# Altium PCB V5+_CORE_RC02.PcbDoc (part 1 of 3)
Units mm, origin at the board's own origin, x right, y up, seen from the top; angles counter-clockwise.
Board outline 33.75 x 33.75 mm, 6 copper layers (Top Layer, GND, S1, S2, POWER, Bottom Layer), stack 1.231 mm thick; 202 components, 273 nets, 965 pads, 543 vias.
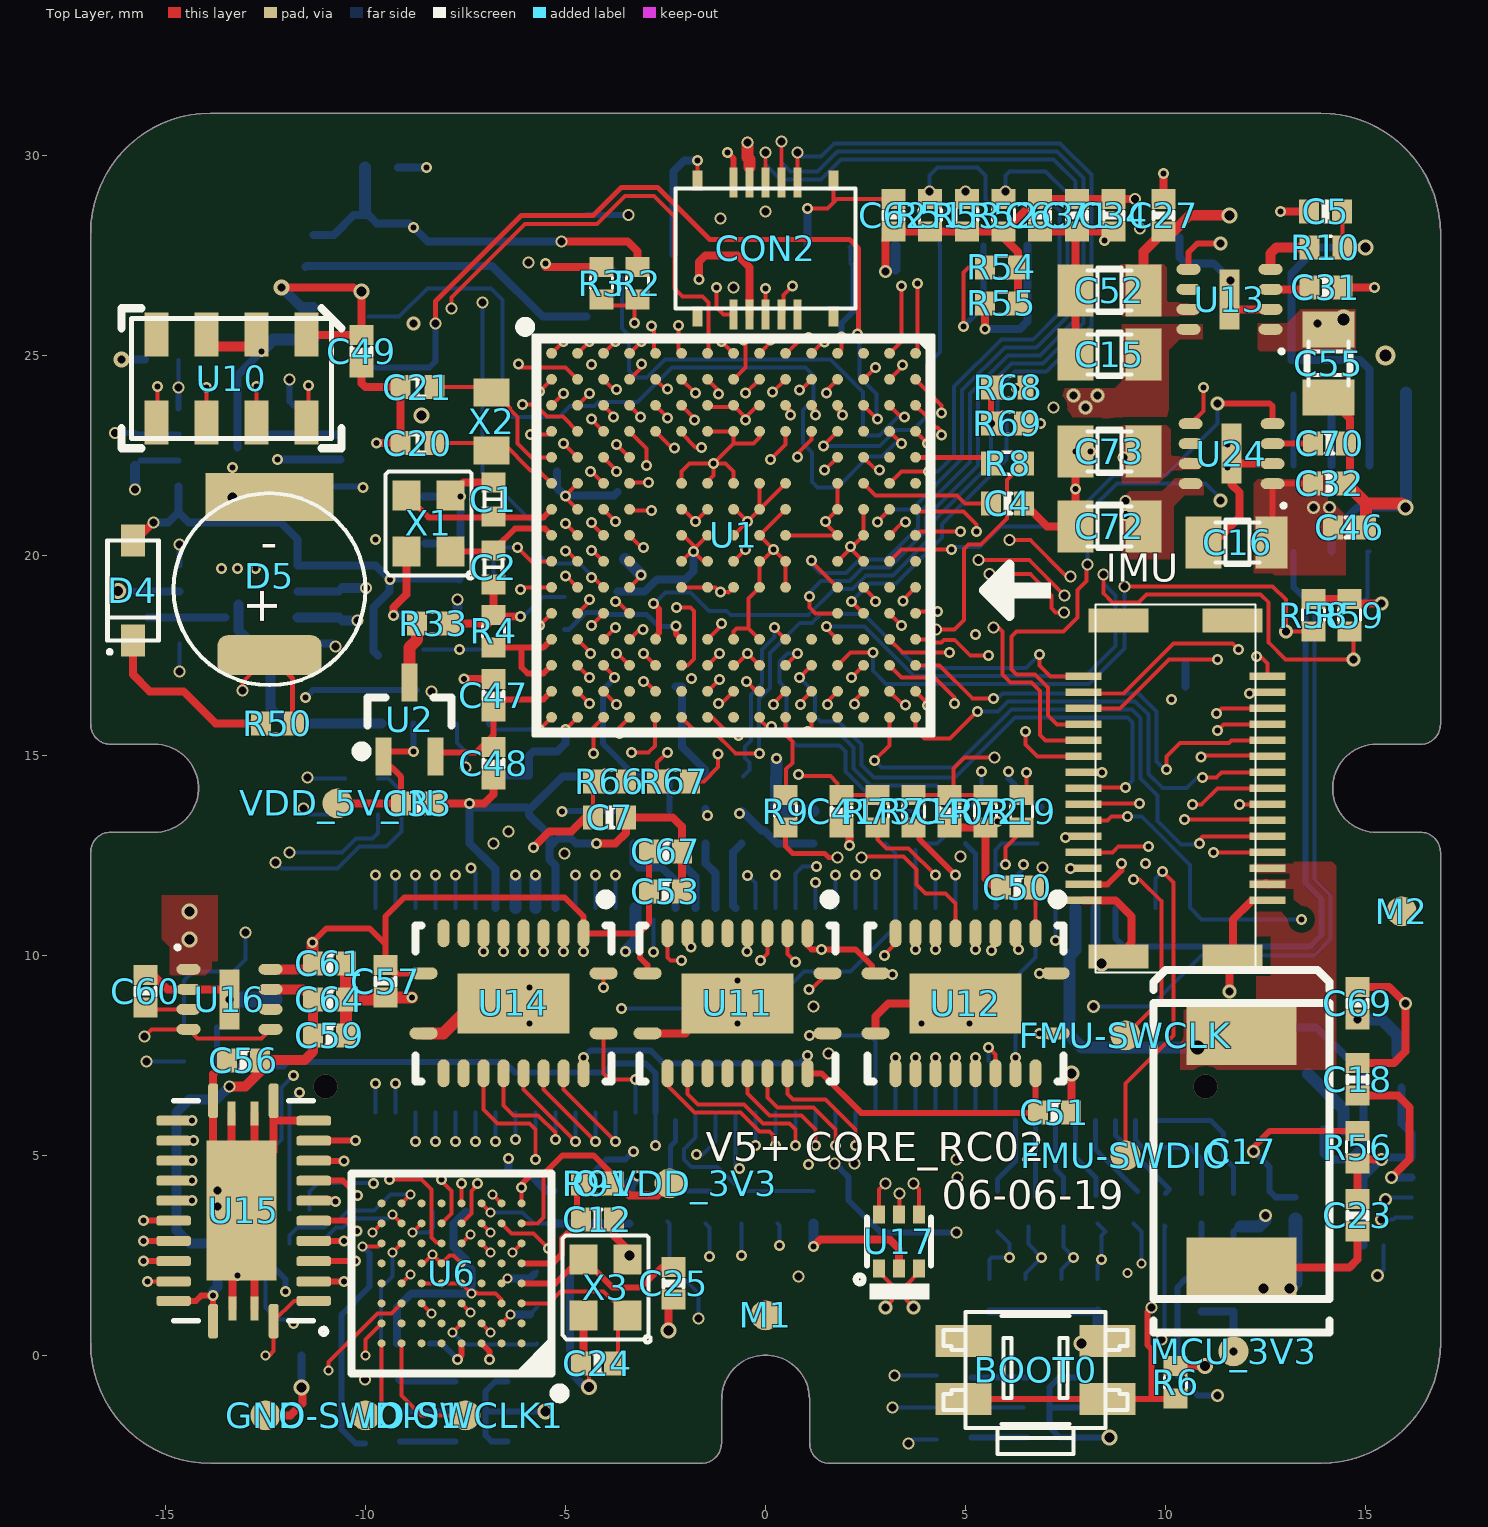
[diagram p0: Top Layer view]
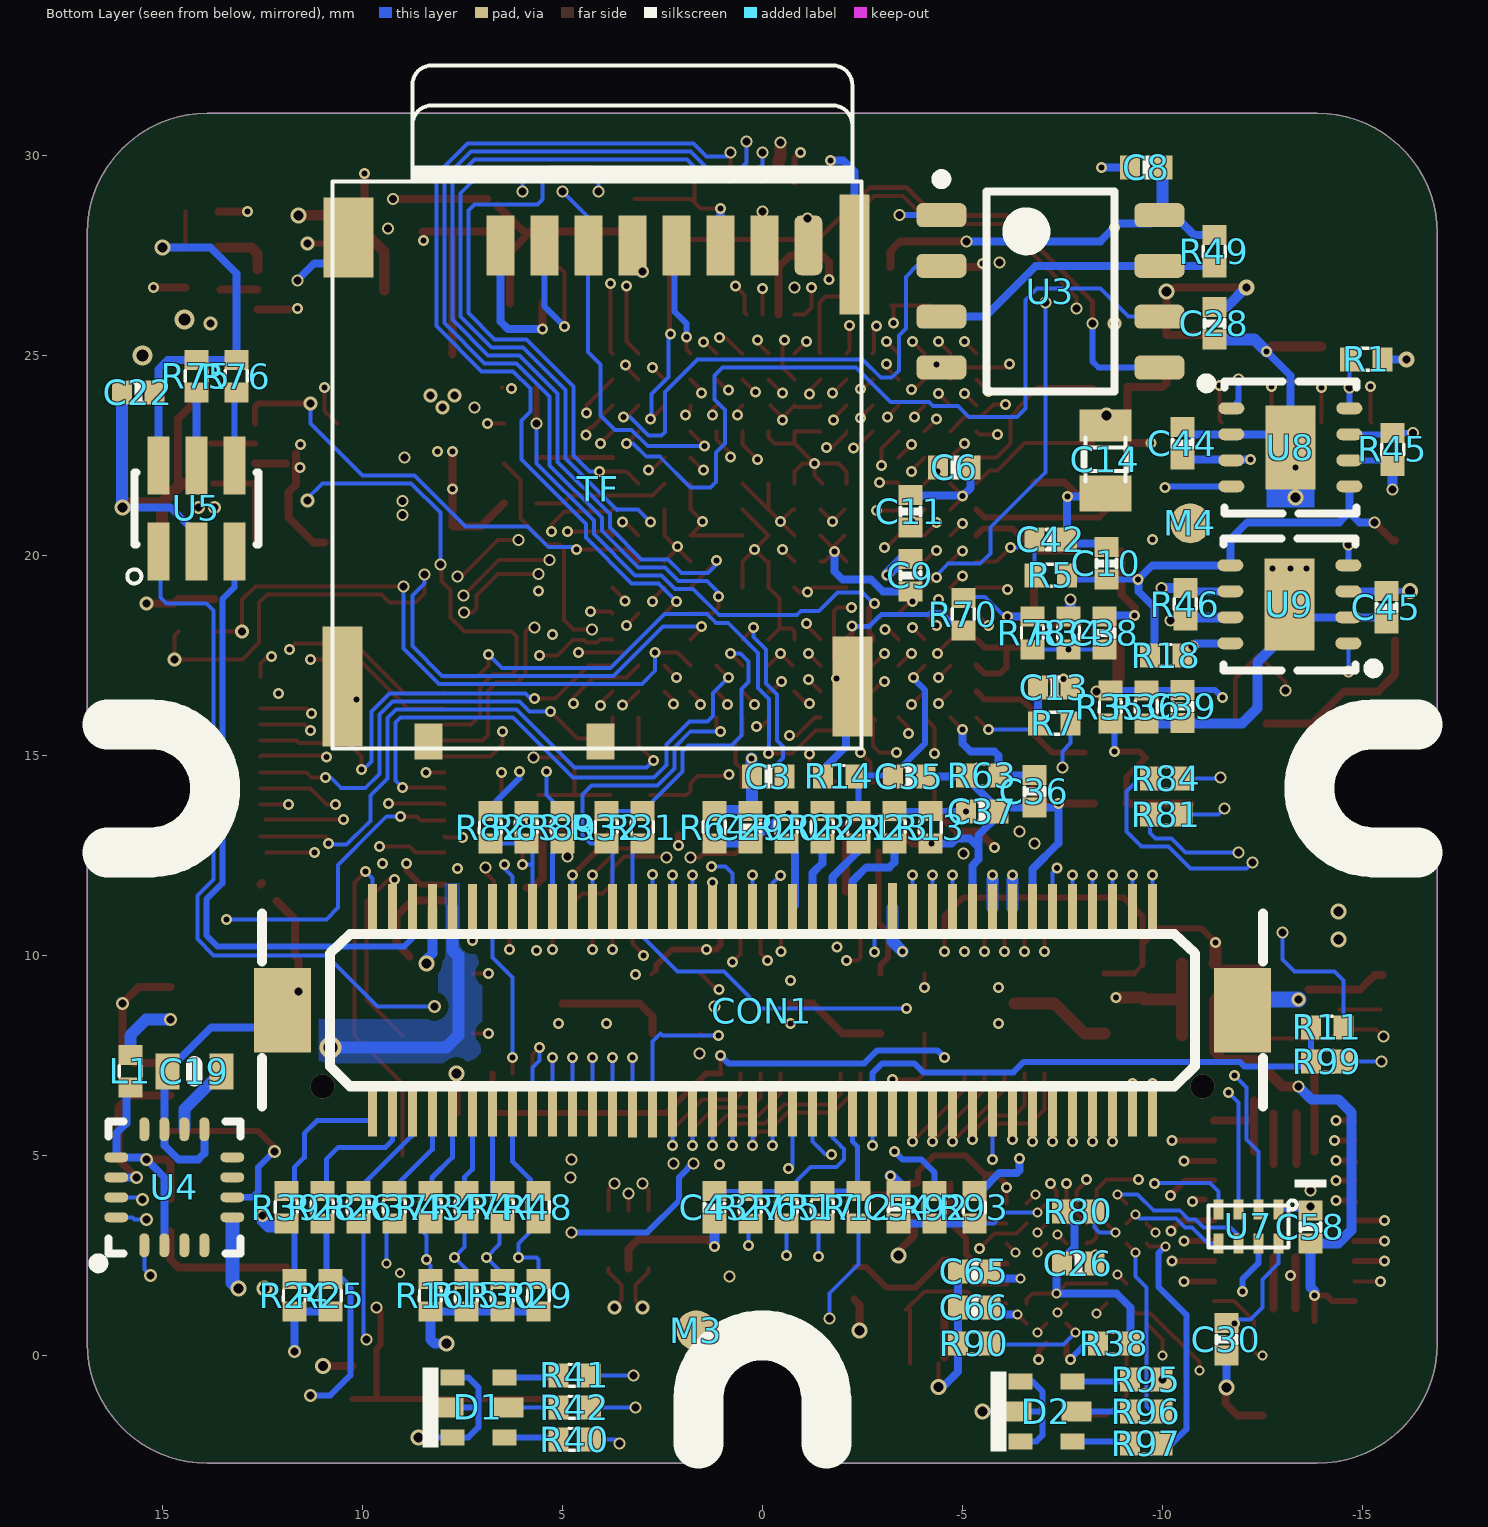
[diagram p1: Bottom Layer view, seen from below]
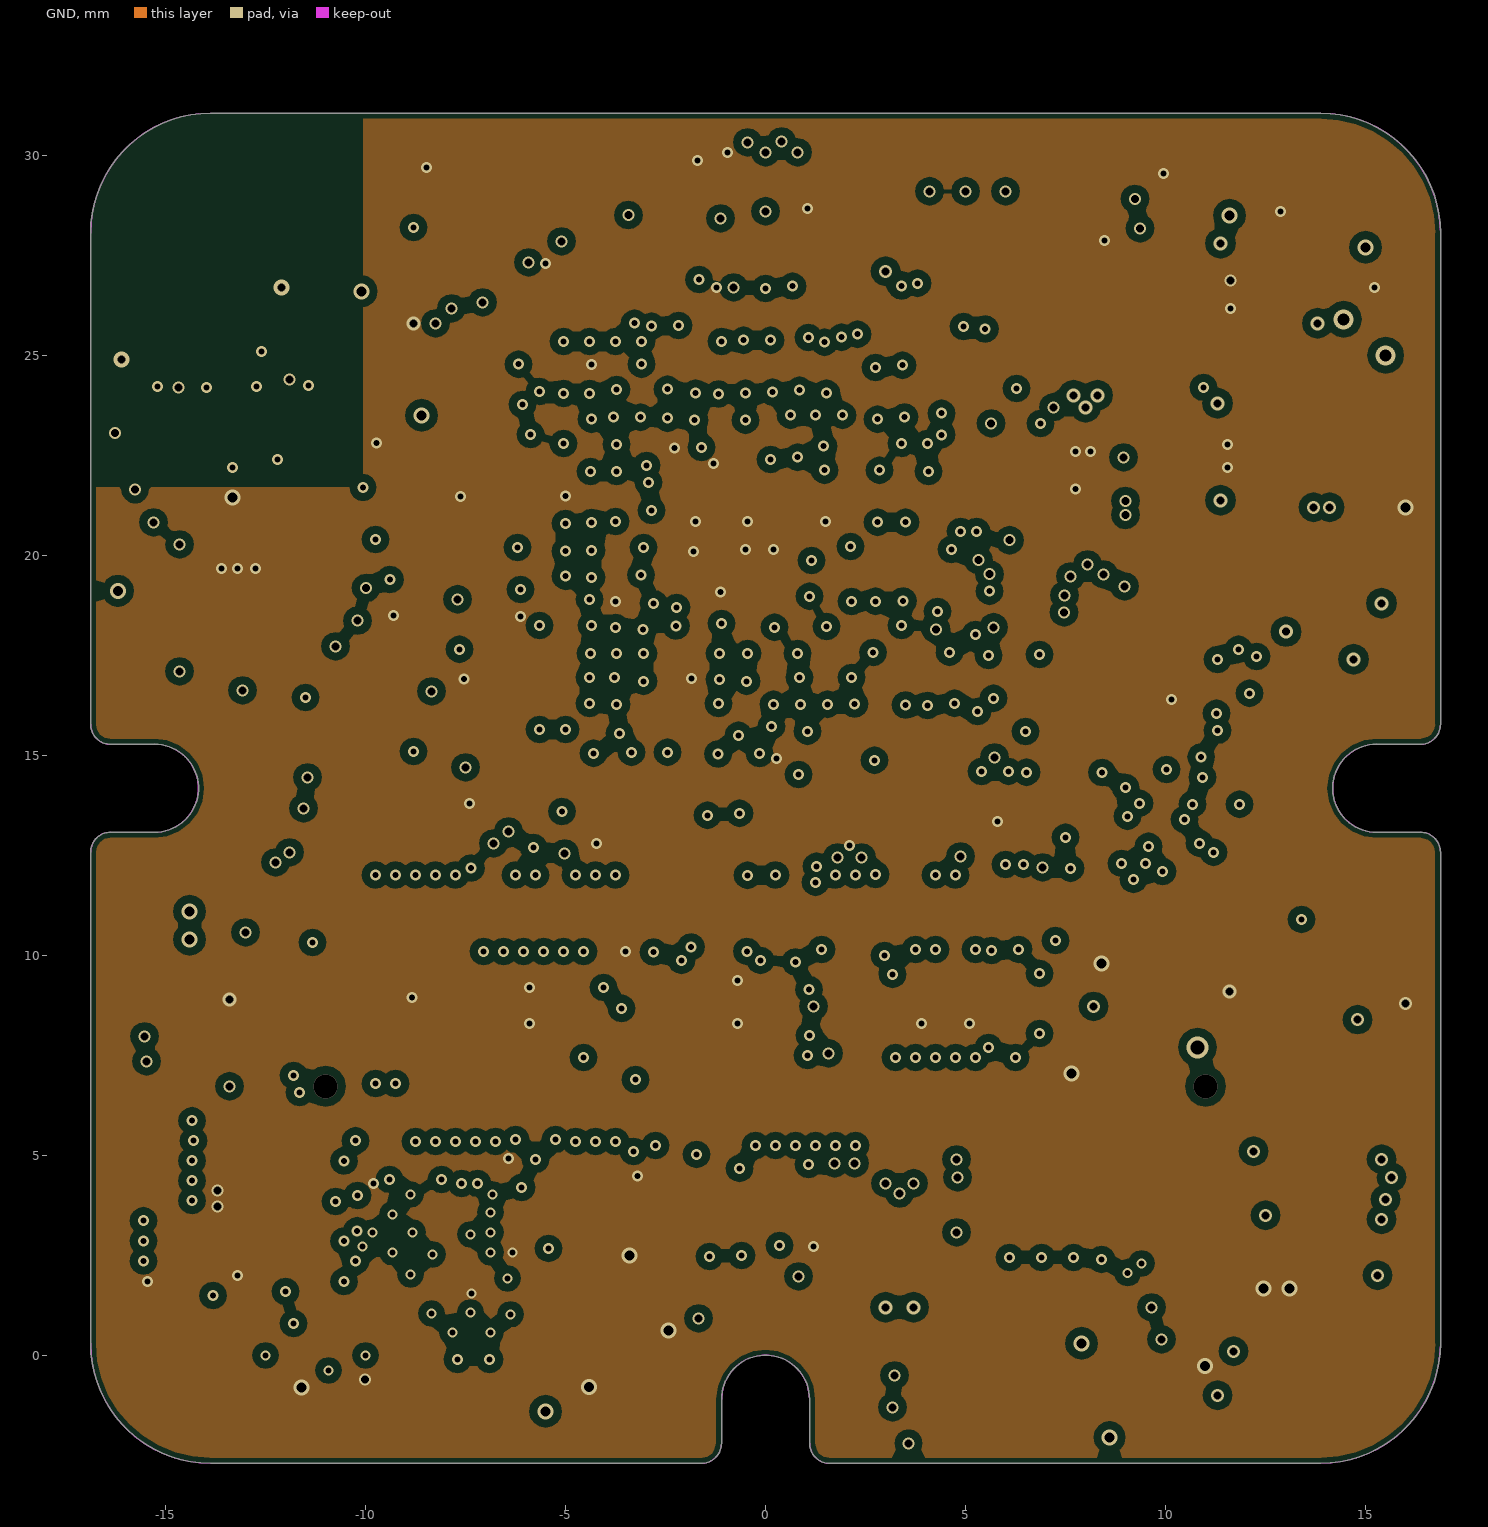
[diagram p2: GND]
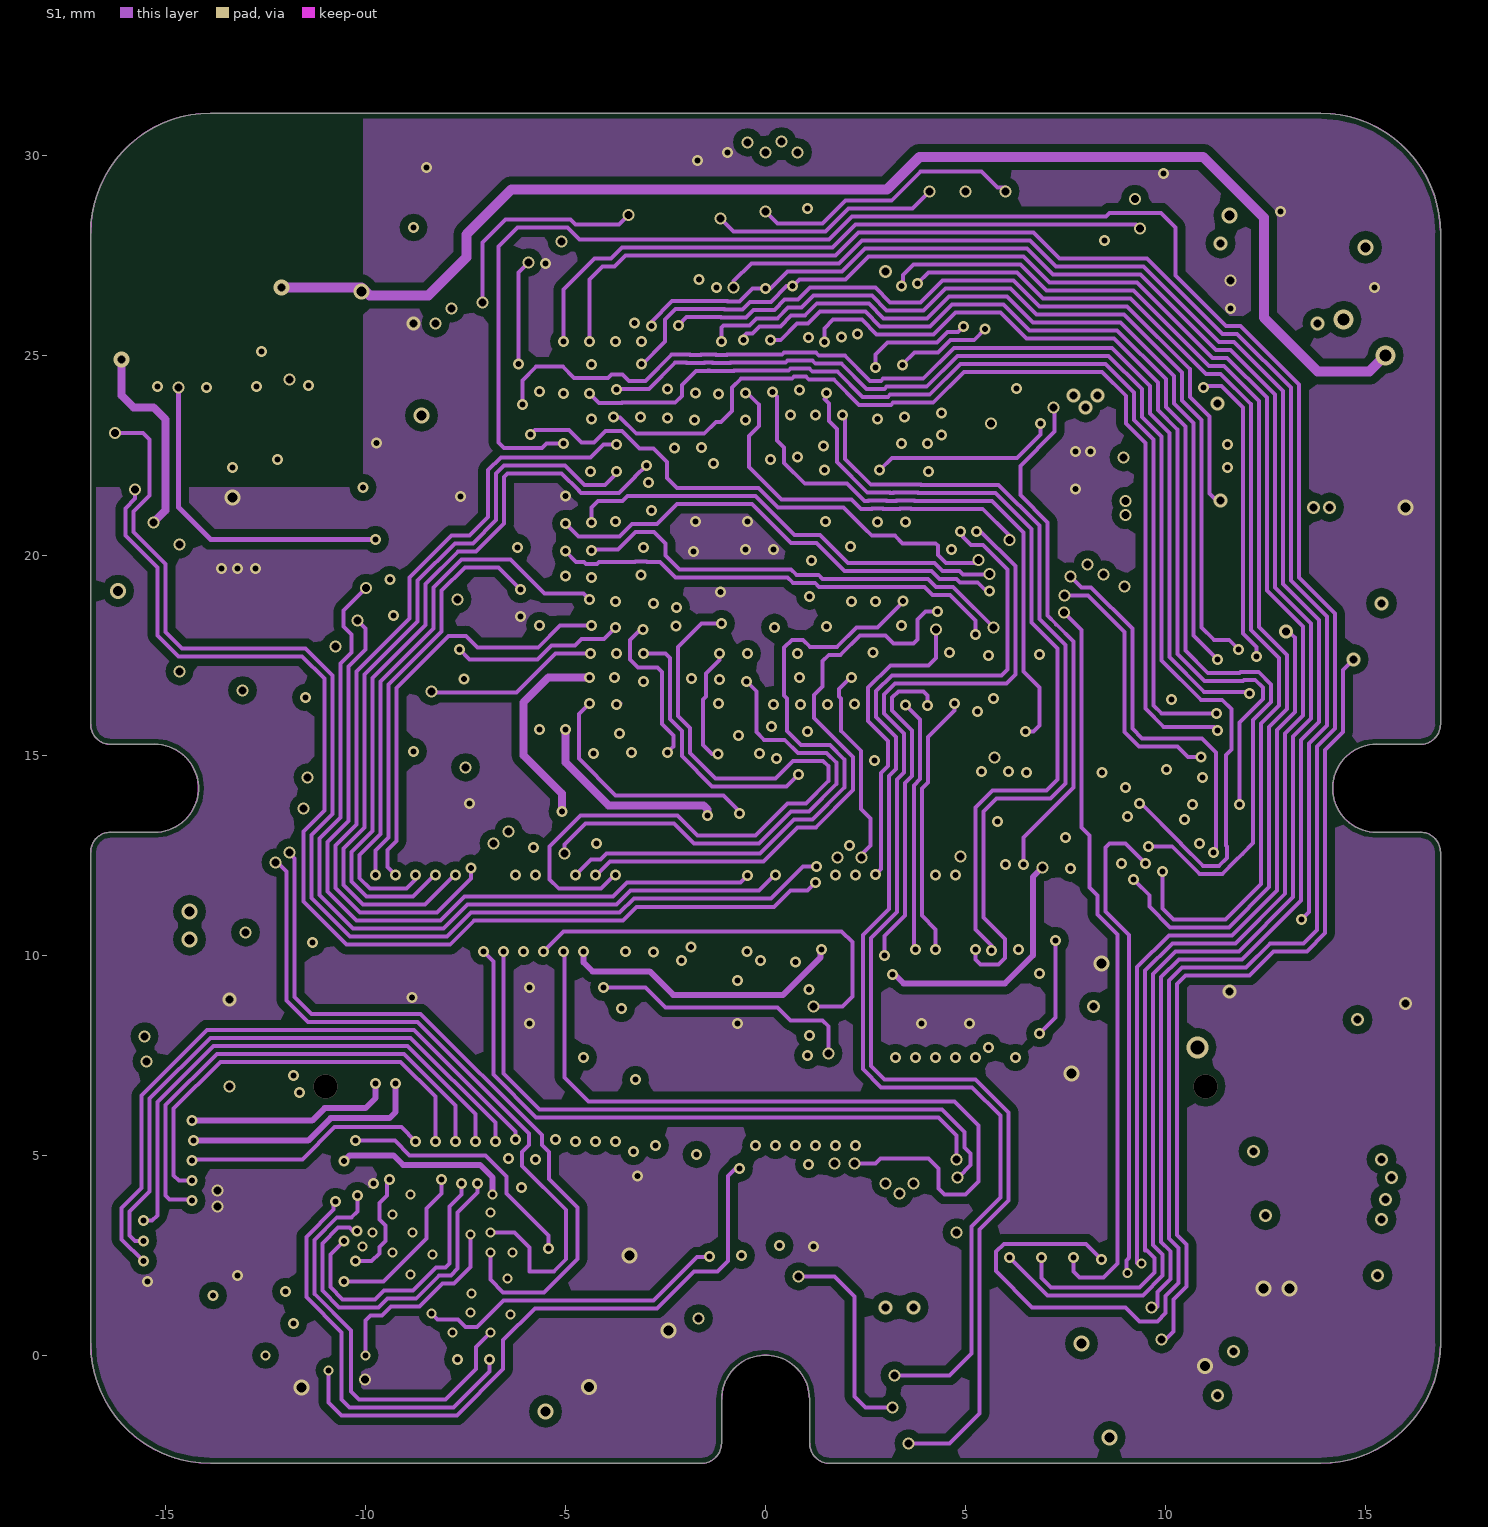
[diagram p3: S1]
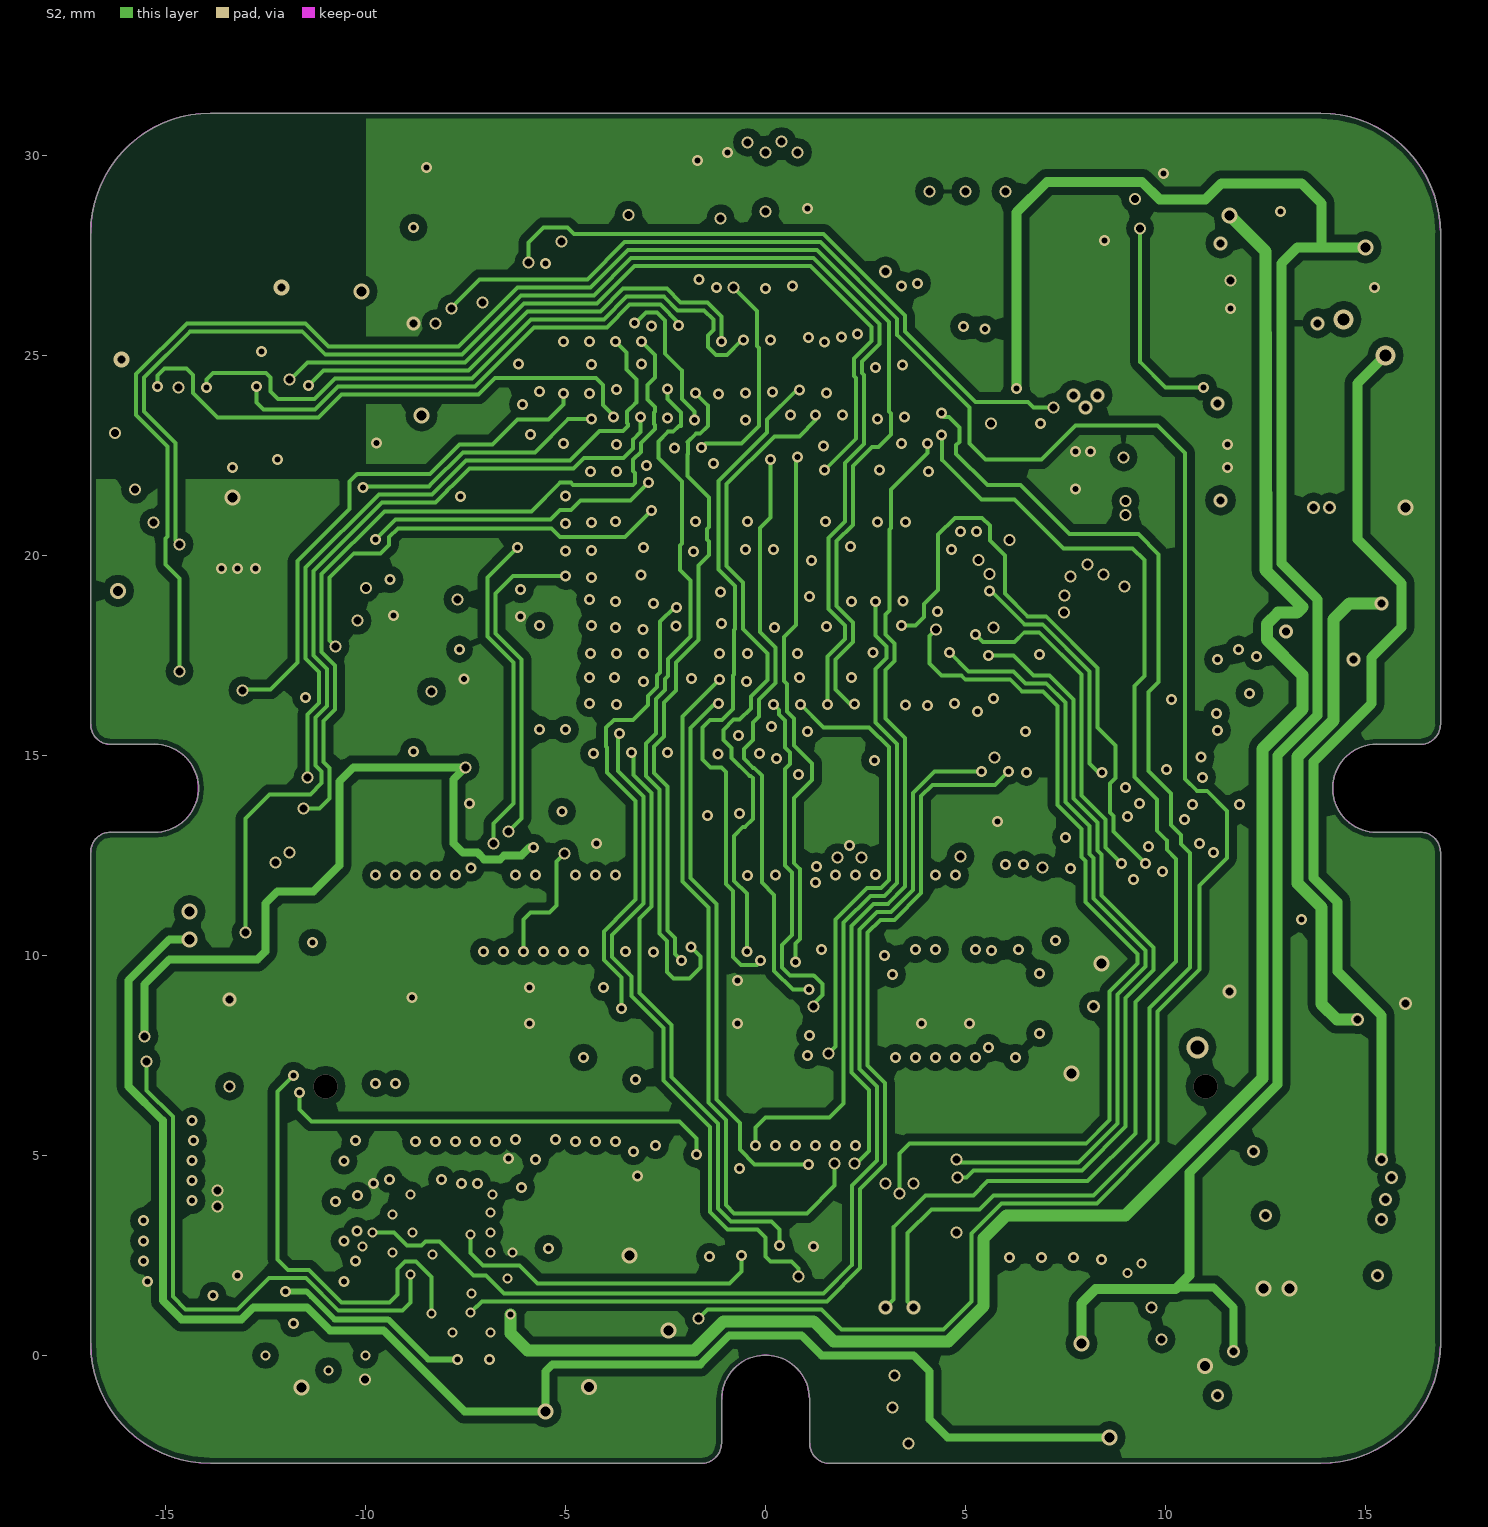
[diagram p4: S2]
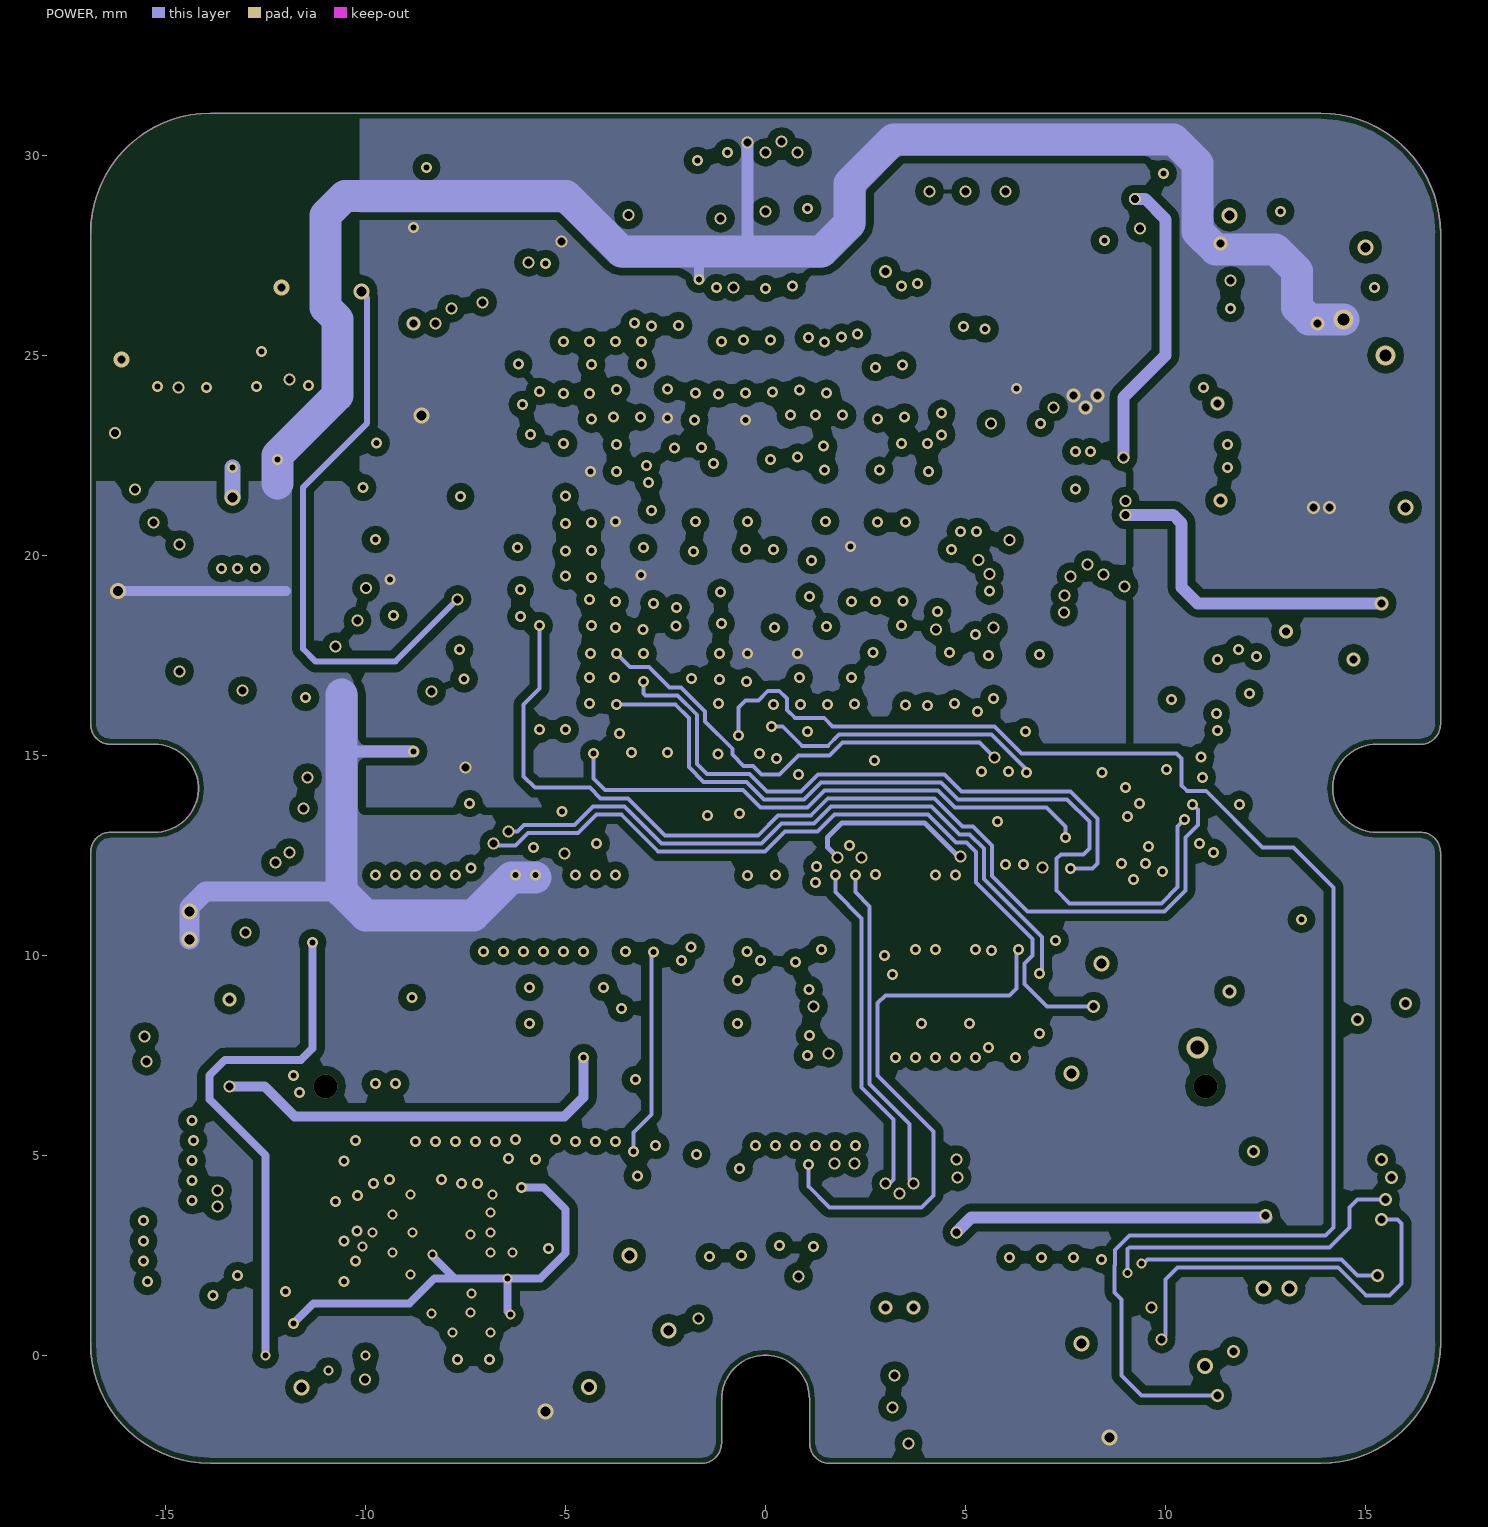
[diagram p5: POWER]